# Altium PCB 2008E_SablierElectronique_JJE.PcbDoc (part 1 of 2)
Units mm, origin at the board's own origin, x right, y up, seen from the top; angles counter-clockwise.
Board outline 120 x 100 mm, 2 copper layers (Top Layer, Bottom Layer), stack 1.586 mm thick; 129 components, 163 nets, 562 pads, 209 vias.
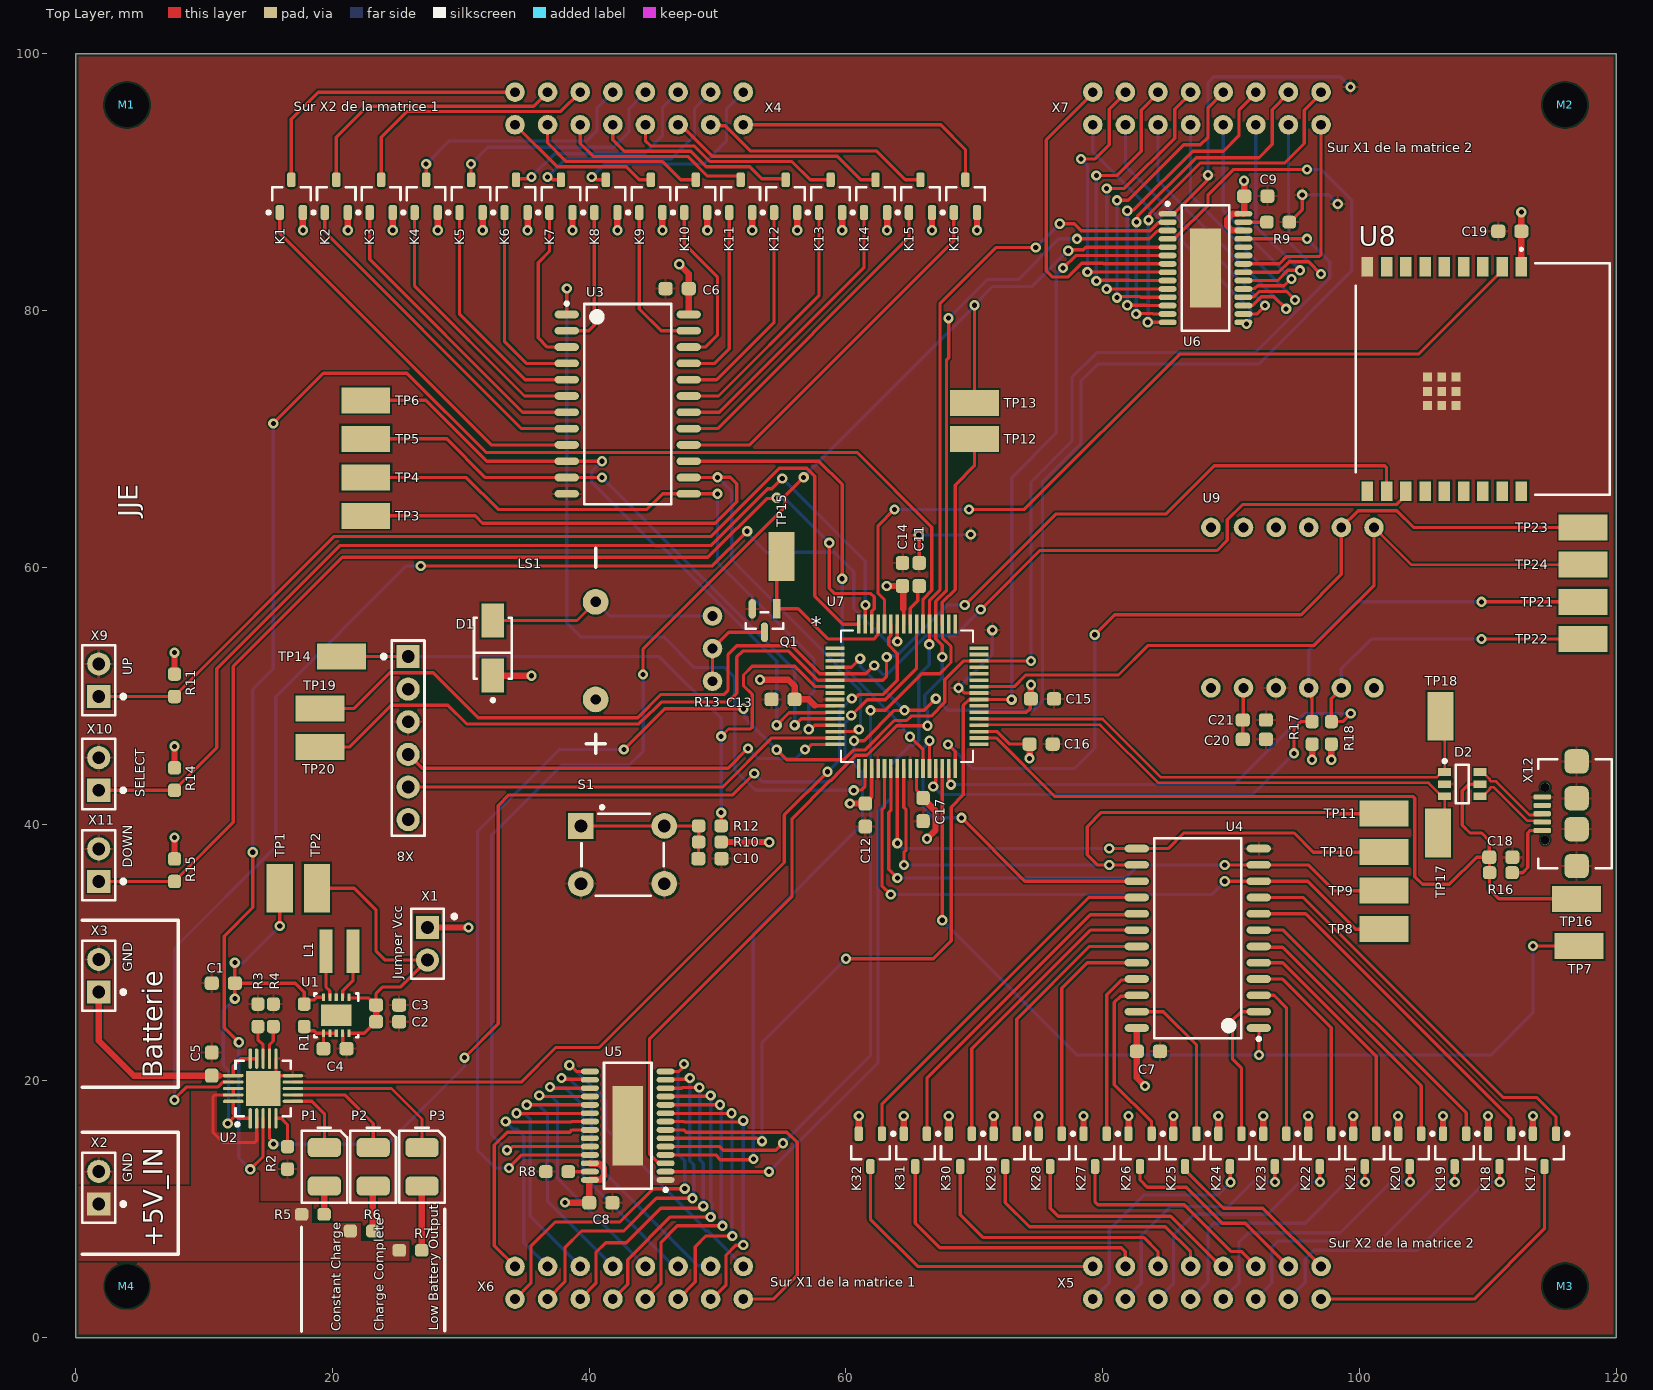
[diagram p0: Top Layer view]
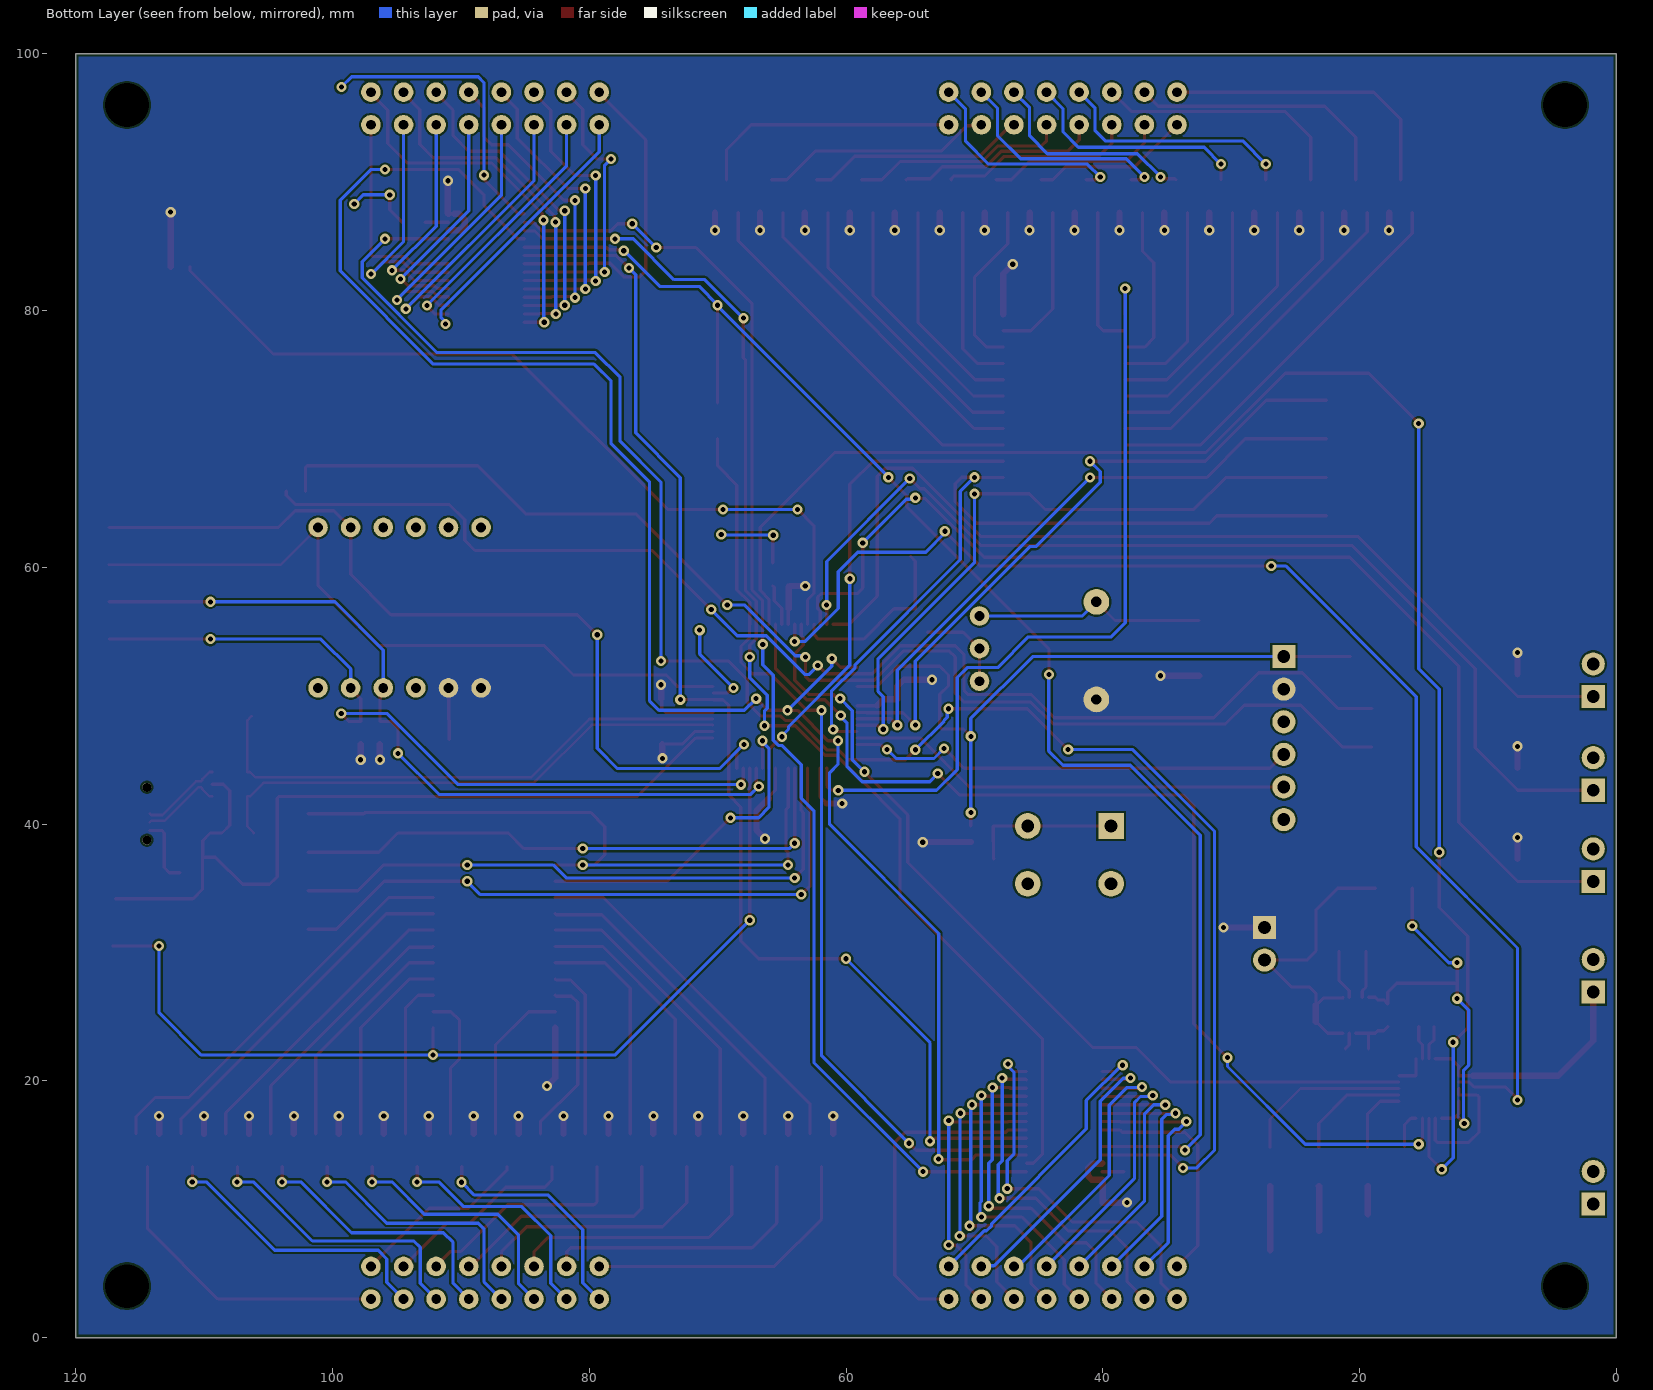
[diagram p1: Bottom Layer view, seen from below]
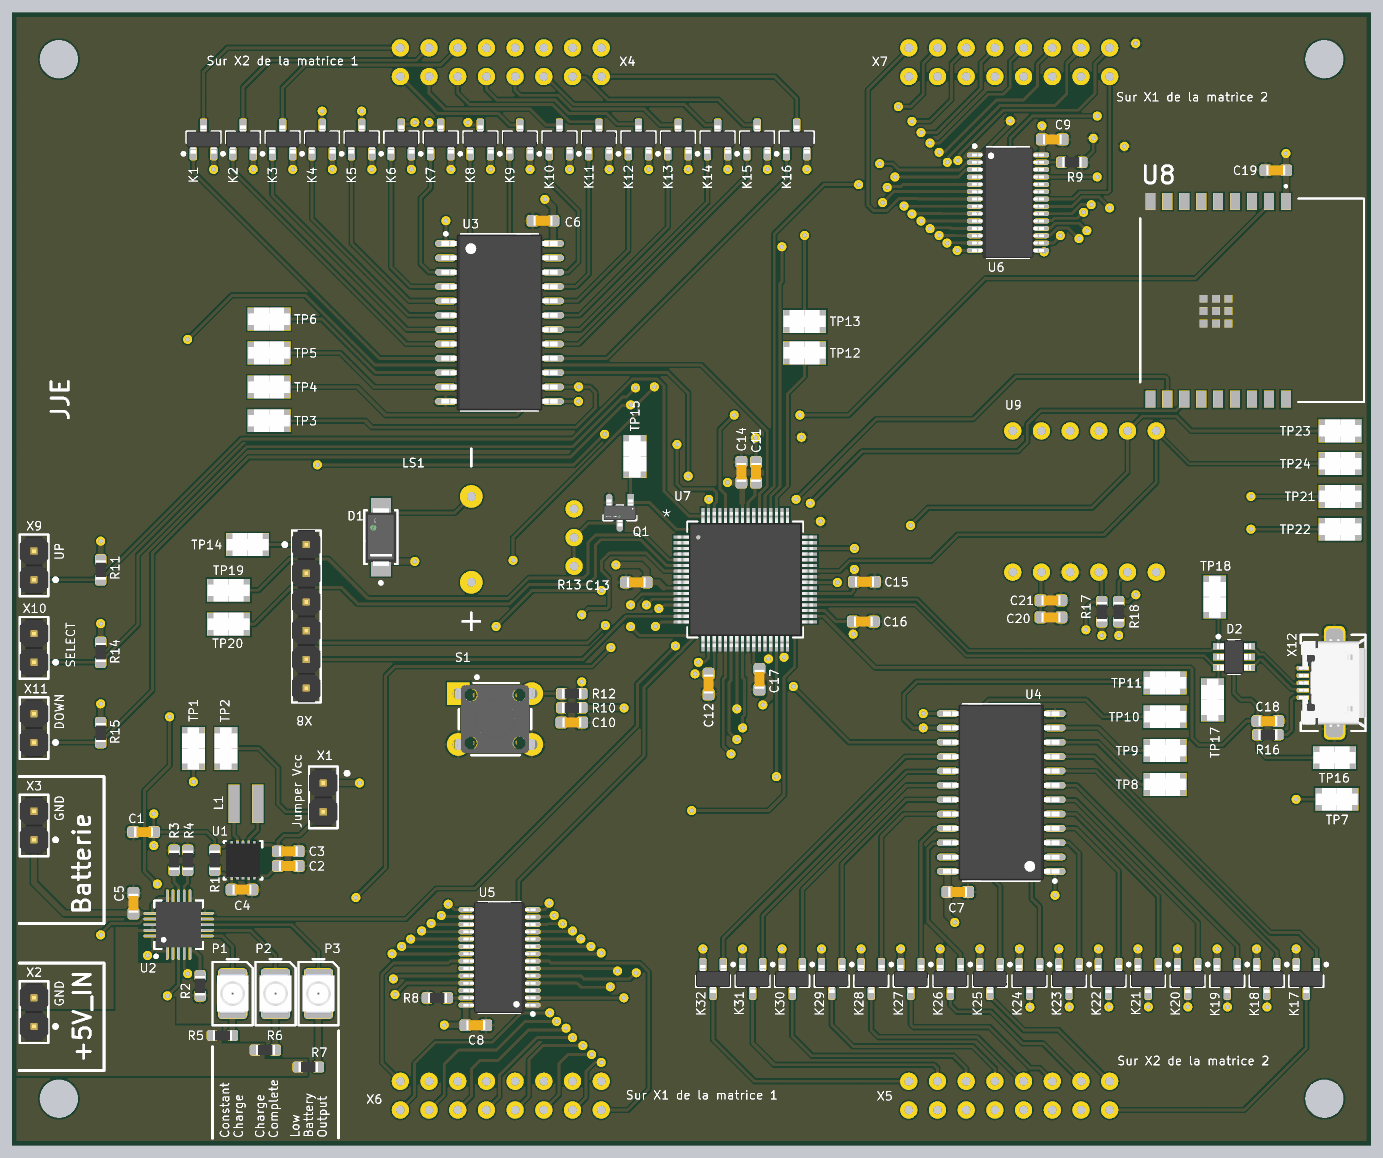
[diagram p3: 3D render of the assembled board from above, using the file's embedded part models]

## Layer stack, top to bottom
Top Solder: solder mask 0.0102, Solder Resist, Dk 3.5
Top Layer: signal copper 0.018
Dielectric1: core 1.55, FR-4, Dk 4.8
Bottom Layer: signal copper 0.018
Bottom Solder: solder mask 0.0102, Solder Resist, Dk 3.5

## Board outline
0,0 0,100 120,100 120,0

## Design rules (kind name [scope] priority, off if disabled: settings)
BoardOutlineClearance [All] p1: gap=0.25 ignorepadtopadclearanceinfootprint=FALSE except(0: Arc-SplitContinuation Track-SplitContinuation SMDPad-SplitContinuation THPad-SplitContinuation Via-SplitContinuation Fill-SplitContinuation Poly-SplitContinuation Region-SplitContinuation Text-SplitContinuation)
Clearance Clearance-xPP-xTP-xTT [All] p1: gap=0.151 ignorepadtopadclearanceinfootprint=FALSE
ComponentClearance [All] p1: gap=0.25 collisioncheckmode=3 verticalgap=0.25 showdistances=FALSE
DiffPairsRouting "Schematic Differential Pairs Routing_3" [InDifferentialPairClass('USB_LINES')] p1: maxlimit=0.254 minlimit=0.254 mostfreqgap=0.254 toplayer_minwidth=0.2 toplayer_maxwidth=0.2 toplayer_prefwidth=0.2 bottomlayer_minwidth=0.2 bottomlayer_maxwidth=0.2 bottomlayer_prefwidth=0.2 maxuncoupledlength=12.7
DiffPairsRouting "Schematic Differential Pairs Routing" [InDifferentialPairClass('USB_CONN_LINES')] p2: maxlimit=0.254 minlimit=0.254 mostfreqgap=0.254 toplayer_minwidth=0.2 toplayer_maxwidth=0.2 toplayer_prefwidth=0.2 bottomlayer_minwidth=0.2 bottomlayer_maxwidth=0.2 bottomlayer_prefwidth=0.2 maxuncoupledlength=12.7
Height [All] p1: minheight=0 maxheight=25 prefheight=12.5
HoleSize HoleSize-PTH [All] p1: absolutevalues=TRUE maxlimit=10 minlimit=0.25 maxpercent=80.000 minpercent=20.000
HoleToHoleClearance [All] p1: gap=0.35 allowstackedmicrovias=TRUE
MinimumAnnularRing "Minimum IAR  >0.45mm" [((ObjectKind = 'Pad') OR (ObjectKind = 'Via')) And (Layer = 'MultiLayer') And (HoleDiameter > AsMM(0.45))] p1: minimumring=0.175 // minimum inner annular ring for pads > 0.45mm finished hole size
MinimumAnnularRing "Minimum IAR <=0.45mm" [((ObjectKind = 'Pad') OR (ObjectKind = 'Via')) And (Layer = 'MultiLayer') And (HoleDiameter <= AsMM(0.45))] p2: minimumring=0.175 // minimum inner annular ring for pads <= 0.45mm finished hole size
MinimumSolderMaskSliver [All] p1: minsoldermaskwidth=0.08
PasteMaskExpansion [All] p1: expansion=-0.025
PlaneClearance PlaneClearance-IPI [All] p1: clearance=0.25
PlaneConnect [All] p1: planeconnectstyle=Relief reliefexpansion=0.175 reliefentries=4 reliefconductorwidth=0.2 reliefairgap=0.2
PolygonConnect PolygonConnect-xTW_5V [InNet('+5V') vs InNet('+5V')] p1: connectstyle=Direct reliefconductorwidth=0.2 reliefentries=4 polygonreliefangle="90 Angle" airgapwidth=0.2
PolygonConnect PolygonConnect-xTW_TP_Driver [HasFootprint('TSOP65P640X120_HS-29N') vs InNet('GND')] p2: connectstyle=Direct reliefconductorwidth=0.2 reliefentries=4 polygonreliefangle="90 Angle" airgapwidth=0.2
PolygonConnect PolygonConnect-xTW_TP_WiFi [HasFootprint('ESP32_C3') vs InNet('GND')] p3: connectstyle=Direct reliefconductorwidth=0.2 reliefentries=4 polygonreliefangle="90 Angle" airgapwidth=0.2
PolygonConnect PolygonConnect-xTW_VCC [InNet('VCC') vs InNet('VCC')] p4: connectstyle=Direct reliefconductorwidth=0.2 reliefentries=4 polygonreliefangle="90 Angle" airgapwidth=0.2
PolygonConnect PolygonConnect-xTW [All] p5: connectstyle=Relief reliefconductorwidth=0.2 reliefentries=4 polygonreliefangle="90 Angle" airgapwidth=0.2
RoutingCorners [All] p1: cornerstyle=45-Degree minsetback=2.5 maxsetback=2.5
RoutingVias RoutingViasES [All] p1: holewidth=0.4 width=0.8 viastyle="Through Hole" minholewidth=0.25 minwidth=0.61 maxholewidth=0.5 maxwidth=1 // finishet hole size <= 0.45mm
SilkToSilkClearance [All] p1: silktosilkclearance=0.2
SilkToSolderMaskClearance SilkscreenOverComponentPads [IsPad] p1: minsilkscreentomaskgap=0.2 clearancetoexposedcopper=TRUE
SolderMaskExpansion [All] p1: expansion=0 istentingtop=FALSE
SupplyNets "Schematic Supply Nets_4" [InNet('GND')] p1: voltage=0.000
SupplyNets "Schematic Supply Nets_3" [InNet('VCC')] p2: voltage=0.000
SupplyNets "Schematic Supply Nets_1" [InNet('VBUS')] p3: voltage=0.000
SupplyNets "Schematic Supply Nets" [InNet('+5V')] p4: voltage=0.000
UnRoutedNet [All] p1: checkbadconnections=TRUE
Width Width-xTW [All] p1: maxlimit=1.5 minlimit=0.15 preferedwidth=0.2
17 further rules are at their usual default settings.

## Classes and differential pairs
component class Schema_bloc: M1 M2 M3 M4
differential pair class USB_LINES: USB
differential pair class USB_CONN_LINES: USB_CONN
net class BL[1..4]: BL1 BL2 BL3 BL4
net class AL[1..4]: AL1 AL2 AL3 AL4
component class "Multiplexage Matrices": C6 C7 K1 K2 K3 K4 K5 K6 K7 K8 K9 K10 K11 K12 K13 K14 K15 K16 K17 K18 K19 K20 K21 K22 K23 K24 K25 K26 K27 K28 K29 K30 K31 K32 TP3 TP4 TP5 TP6 TP7 TP8 TP9 TP10 TP11 U3 U4 X4 X5
component class "Module Wi-Fi": C19 TP19 TP20 U8
component class Microcontrôleur: C10 C11 C12 C13 C14 C15 C16 C17 C18 D1 D2 LS1 Q1 R10 R11 R12 R13 R14 R15 R16 S1 TP14 TP15 TP16 TP17 TP18 U7 X8 X9 X10 X11 X12
component class "Driver Matrices": C8 C9 R8 R9 TP12 TP13 U5 U6 X6 X7
component class Alimentaiton: C1 C2 C3 C4 C5 L1 P1 P2 P3 R1 R2 R3 R4 R5 R6 R7 TP1 TP2 U1 U2 X1 X2 X3
component class Accéléromètre: C20 C21 R17 R18 TP21 TP22 TP23 TP24 U9
differential pair USB: +USB_P -USB_N
differential pair USB_CONN: +USB_CONN_P -USB_CONN_N

## Components (designator, comment, footprint, x,y, rotation, side; value= is the part's Value field where it differs from the comment)
C1 "10uF" CAPC1608X08M 11.5,27.6 r0 top value=10µF
C2 "10uF" CAPC1608X08M 24.3,24.6 r180 top value=10µF
C3 "10uF" CAPC1608X08M 24.3,25.9 r180 top value=10µF
C4 "100nF" CAPC1608X08M 20.2,22.5 r180 top
C5 "4.7uF" CAPC1608X08M 10.6,21.3 r270 top value=4.7µF
C6 "100nF" CAPC1608X08M 46.85,81.7 r0 top
C7 "100nF" CAPC1608X08M 83.55,22.3 r180 top
C8 "100nF" CAPC1608X08M 40.9,10.5 r180 top
C9 "100nF" CAPC1608X08M 91.92,88.9 r180 top
C10 "100nF" CAPC1608X08M 49.4,37.3 r180 top
C11 "10uF" CAPC1608X08M 65.7,59.435 r270 top value=10µF
C12 "100nF" CAPC1608X08M 61.5,40.697 r90 top
C13 "100nF" CAPC1608X08M 55.1,49.7 r0 top
C14 "100nF" CAPC1608X08M 64.4,59.435 r270 top
C15 "100nF" CAPC1608X08M 75.3,49.747 r180 top
C16 "100nF" CAPC1608X08M 75.2,46.225 r180 top
C17 "100nF" CAPC1608X08M 66,41.122 r90 top
C18 "100nF" CAPC1608X08M 111,37.413 r0 top
C19 "100nF" CAPC1608X08M 111.7,86.166 r0 top
C20 "10uF" CAPC1608X08M 91.8,46.6 r0 top value=10µF
C21 "100nF" CAPC1608X08M 91.8,48.1 r0 top
D1 "SS14" FP-403AE-MFG 32.5,53.7 r270 top
D2 "USBLC6-2P6" SOT95P280X145-6N 108,43.1 r0 top
K1 "DMG2307L" SOT90P240X110-3M 16.8,88.9 r90 top
K2 "DMG2307L" SOT90P240X110-3M 20.3,88.9 r90 top
K3 "DMG2307L" SOT90P240X110-3M 23.8,88.9 r90 top
K4 "DMG2307L" SOT90P240X110-3M 27.3,88.9 r90 top
K5 "DMG2307L" SOT90P240X110-3M 30.8,88.9 r90 top
K6 "DMG2307L" SOT90P240X110-3M 34.3,88.9 r90 top
K7 "DMG2307L" SOT90P240X110-3M 37.8,88.9 r90 top
K8 "DMG2307L" SOT90P240X110-3M 41.3,88.9 r90 top
K9 "DMG2307L" SOT90P240X110-3M 44.8,88.9 r90 top
K10 "DMG2307L" SOT90P240X110-3M 48.3,88.9 r90 top
K11 "DMG2307L" SOT90P240X110-3M 51.8,88.9 r90 top
K12 "DMG2307L" SOT90P240X110-3M 55.3,88.9 r90 top
K13 "DMG2307L" SOT90P240X110-3M 58.8,88.9 r90 top
K14 "DMG2307L" SOT90P240X110-3M 62.3,88.9 r90 top
K15 "DMG2307L" SOT90P240X110-3M 65.8,88.9 r90 top
K16 "DMG2307L" SOT90P240X110-3M 69.3,88.9 r90 top
K17 "DMG2307L" SOT90P240X110-3M 114.4,14.6 r270 top
K18 "DMG2307L" SOT90P240X110-3M 110.9,14.6 r270 top
K19 "DMG2307L" SOT90P240X110-3M 107.4,14.6 r270 top
K20 "DMG2307L" SOT90P240X110-3M 103.9,14.6 r270 top
K21 "DMG2307L" SOT90P240X110-3M 100.4,14.6 r270 top
K22 "DMG2307L" SOT90P240X110-3M 96.9,14.6 r270 top
K23 "DMG2307L" SOT90P240X110-3M 93.4,14.6 r270 top
K24 "DMG2307L" SOT90P240X110-3M 89.9,14.6 r270 top
K25 "DMG2307L" SOT90P240X110-3M 86.4,14.6 r270 top
K26 "DMG2307L" SOT90P240X110-3M 82.9,14.6 r270 top
K27 "DMG2307L" SOT90P240X110-3M 79.4,14.6 r270 top
K28 "DMG2307L" SOT90P240X110-3M 75.9,14.6 r270 top
K29 "DMG2307L" SOT90P240X110-3M 72.4,14.6 r270 top
K30 "DMG2307L" SOT90P240X110-3M 68.9,14.6 r270 top
K31 "DMG2307L" SOT90P240X110-3M 65.4,14.6 r270 top
K32 "DMG2307L" SOT90P240X110-3M 61.9,14.6 r270 top
L1 "2.2uH" IND_2.2UH 19.5,30.1 r0 top
LS1 "CMI-1295IC-0385T" CMI-1295IC-0385T 40.5,53.5 r90 top
M1 "3.4" MECH-UHD340 4,96 r90 top
M2 "3.4" MECH-UHD340 116,96 r90 top
M3 "3.4" MECH-UHD340 116,4 r90 top
M4 "3.4" MECH-UHD340 4,4 r90 top
P1 "2mA/RD" LED-PLCC2 19.375,13.3 r90 top
P2 "2mA/RD" LED-PLCC2 23.175,13.3 r90 top
P3 "2mA/RD" LED-PLCC2 26.975,13.3 r90 top
Q1 "BSS138" FP-318-08-IPC_B 53.65,55.85 r270 top
R1 "100R" RESC1608X06M 17.8,25.1 r90 top value=100
R2 "10k" RESC1608X06M 16.5,14 r90 top
R3 "2k2" RESC1608X06M 14.2,25.1 r270 top value=2.2k
R4 "12k" RESC1608X06M 15.4,25.1 r270 top
R5 "470R" RESC1608X06M 18.475,9.6 r0 top value=470
R6 "470R" RESC1608X06M 22.275,8.3 r0 top value=470
R7 "470R" RESC1608X06M 26.075,6.8 r0 top value=470
R8 "2k2" RESC1608X06M 37.5,12.925 r0 top value=2.2k
R9 "2k2" RESC1608X06M 93.658,86.875 r180 top value=2.2k
R10 "10k" RESC1608X06M 49.4,38.6 r0 top
R11 "10k" RESC1608X06M 7.7,50.8 r90 top
R12 "1k" RESC1608X06M 49.4,39.85 r180 top
R13 "200R" POT_200R 49.6,56.2 r270 top
R14 "10k" RESC1608X06M 7.7,43.5 r90 top
R15 "10k" RESC1608X06M 7.7,36.4 r90 top
R16 "1k" RESC1608X06M 111,36.213 r180 top
R17 "10k" RESC1608X06M 96.3,47.1 r270 top
R18 "10k" RESC1608X06M 97.8,47.1 r270 top
S1 "1P1T-P" TE_1825910-6 42.6,37.6 r0 top
TP1 "TestPoint" KEYSTONE_5019 15.9,35 r90 top
TP2 "TestPoint" KEYSTONE_5019 18.785,35 r90 top
TP3 "TestPoint" KEYSTONE_5019 22.6,64 r0 top
TP4 "TestPoint" KEYSTONE_5019 22.6,66.985 r0 top
TP5 "TestPoint" KEYSTONE_5019 22.6,70 r0 top
TP6 "TestPoint" KEYSTONE_5019 22.6,73 r0 top
TP7 "5019" KEYSTONE_5019 117.1,30.5 r0 top
TP8 "TestPoint" KEYSTONE_5019 101.9,31.81 r180 top
TP9 "TestPoint" KEYSTONE_5019 101.9,34.805 r180 top
TP10 "TestPoint" KEYSTONE_5019 101.9,37.805 r180 top
TP11 "TestPoint" KEYSTONE_5019 101.9,40.805 r180 top
TP12 "TestPoint" KEYSTONE_5019 70,70 r0 top
TP13 "TestPoint" KEYSTONE_5019 70,72.8 r0 top
TP14 "TestPoint" KEYSTONE_5019 20.7,53.04 r180 top
TP15 "TestPoint" KEYSTONE_5019 54.975,60.843 r90 top
TP16 "TestPoint" KEYSTONE_5019 116.9,34.175 r0 top
TP17 "TestPoint" KEYSTONE_5019 106.117,39.3 r270 top
TP18 "TestPoint" KEYSTONE_5019 106.3,48.4 r270 top
TP19 "TestPoint" KEYSTONE_5019 19.029,49 r0 top
TP20 "TestPoint" KEYSTONE_5019 19.029,46 r0 top
TP21 "TestPoint" KEYSTONE_5019 117.4,57.3 r0 top
TP22 "TestPoint" KEYSTONE_5019 117.4,54.4 r0 top
TP23 "TestPoint" KEYSTONE_5019 117.4,63.1 r0 top
TP24 "TestPoint" KEYSTONE_5019 117.4,60.2 r0 top
U1 "TPS63001" DRC0010J 20.3,25.1 r270 top
U2 "MCP73871" QFN50P400X400X100_HS-21N 14.6,19.4 r90 top
U3 "74HC154" SOP127P1030X265-24N 43,72.7 r0 top
U4 "74HC154" SOP127P1030X265-24N 87.4,31.1 r180 top
U5 "TLC5940" TSOP65P640X120_HS-29N 43,16.5 r180 top
U6 "TLC5940" TSOP65P640X120_HS-29N 88,83.3 r0 top
U7 "PIC32MX795F512H" TQFP64_10X10MC_MCH 64.75,49.95 r0 top
U8 "ESP32-C3" ESP32_C3 112.6,83.41 r270 top
U9 "LIS3DH Kit" LIS3DH_KIT 101.12,63.1 r270 top
X1 "2.54" PIN-1x02-2.54 27.4,31.94 r270 top
X2 "2.54" PIN-1x02-2.54 1.8,10.4 r90 top
X3 "2.54" PIN-1x02-2.54 1.8,26.908 r90 top
X4 "" MOLEX_2X8 34.22,97 r0 top
X5 "" MOLEX_2X8 97,3 r180 top
X6 "" MOLEX_2X8 52,3 r180 top
X7 "" MOLEX_2X8 79.22,97 r0 top
X8 "2.54" PIN-1x06-2.54 25.9,53.04 r270 top
X9 "2.54" PIN-1x02-2.54 1.8,49.925 r90 top
X10 "2.54" PIN-1x02-2.54 1.8,42.625 r90 top
X11 "2.54" PIN-1x02-2.54 1.8,35.525 r90 top
X12 "629105136821" WE_629105136821 116.9,40.8 r90 top
